# Altium PCB board_ordered.PcbDoc (part 1 of 3) (continued)
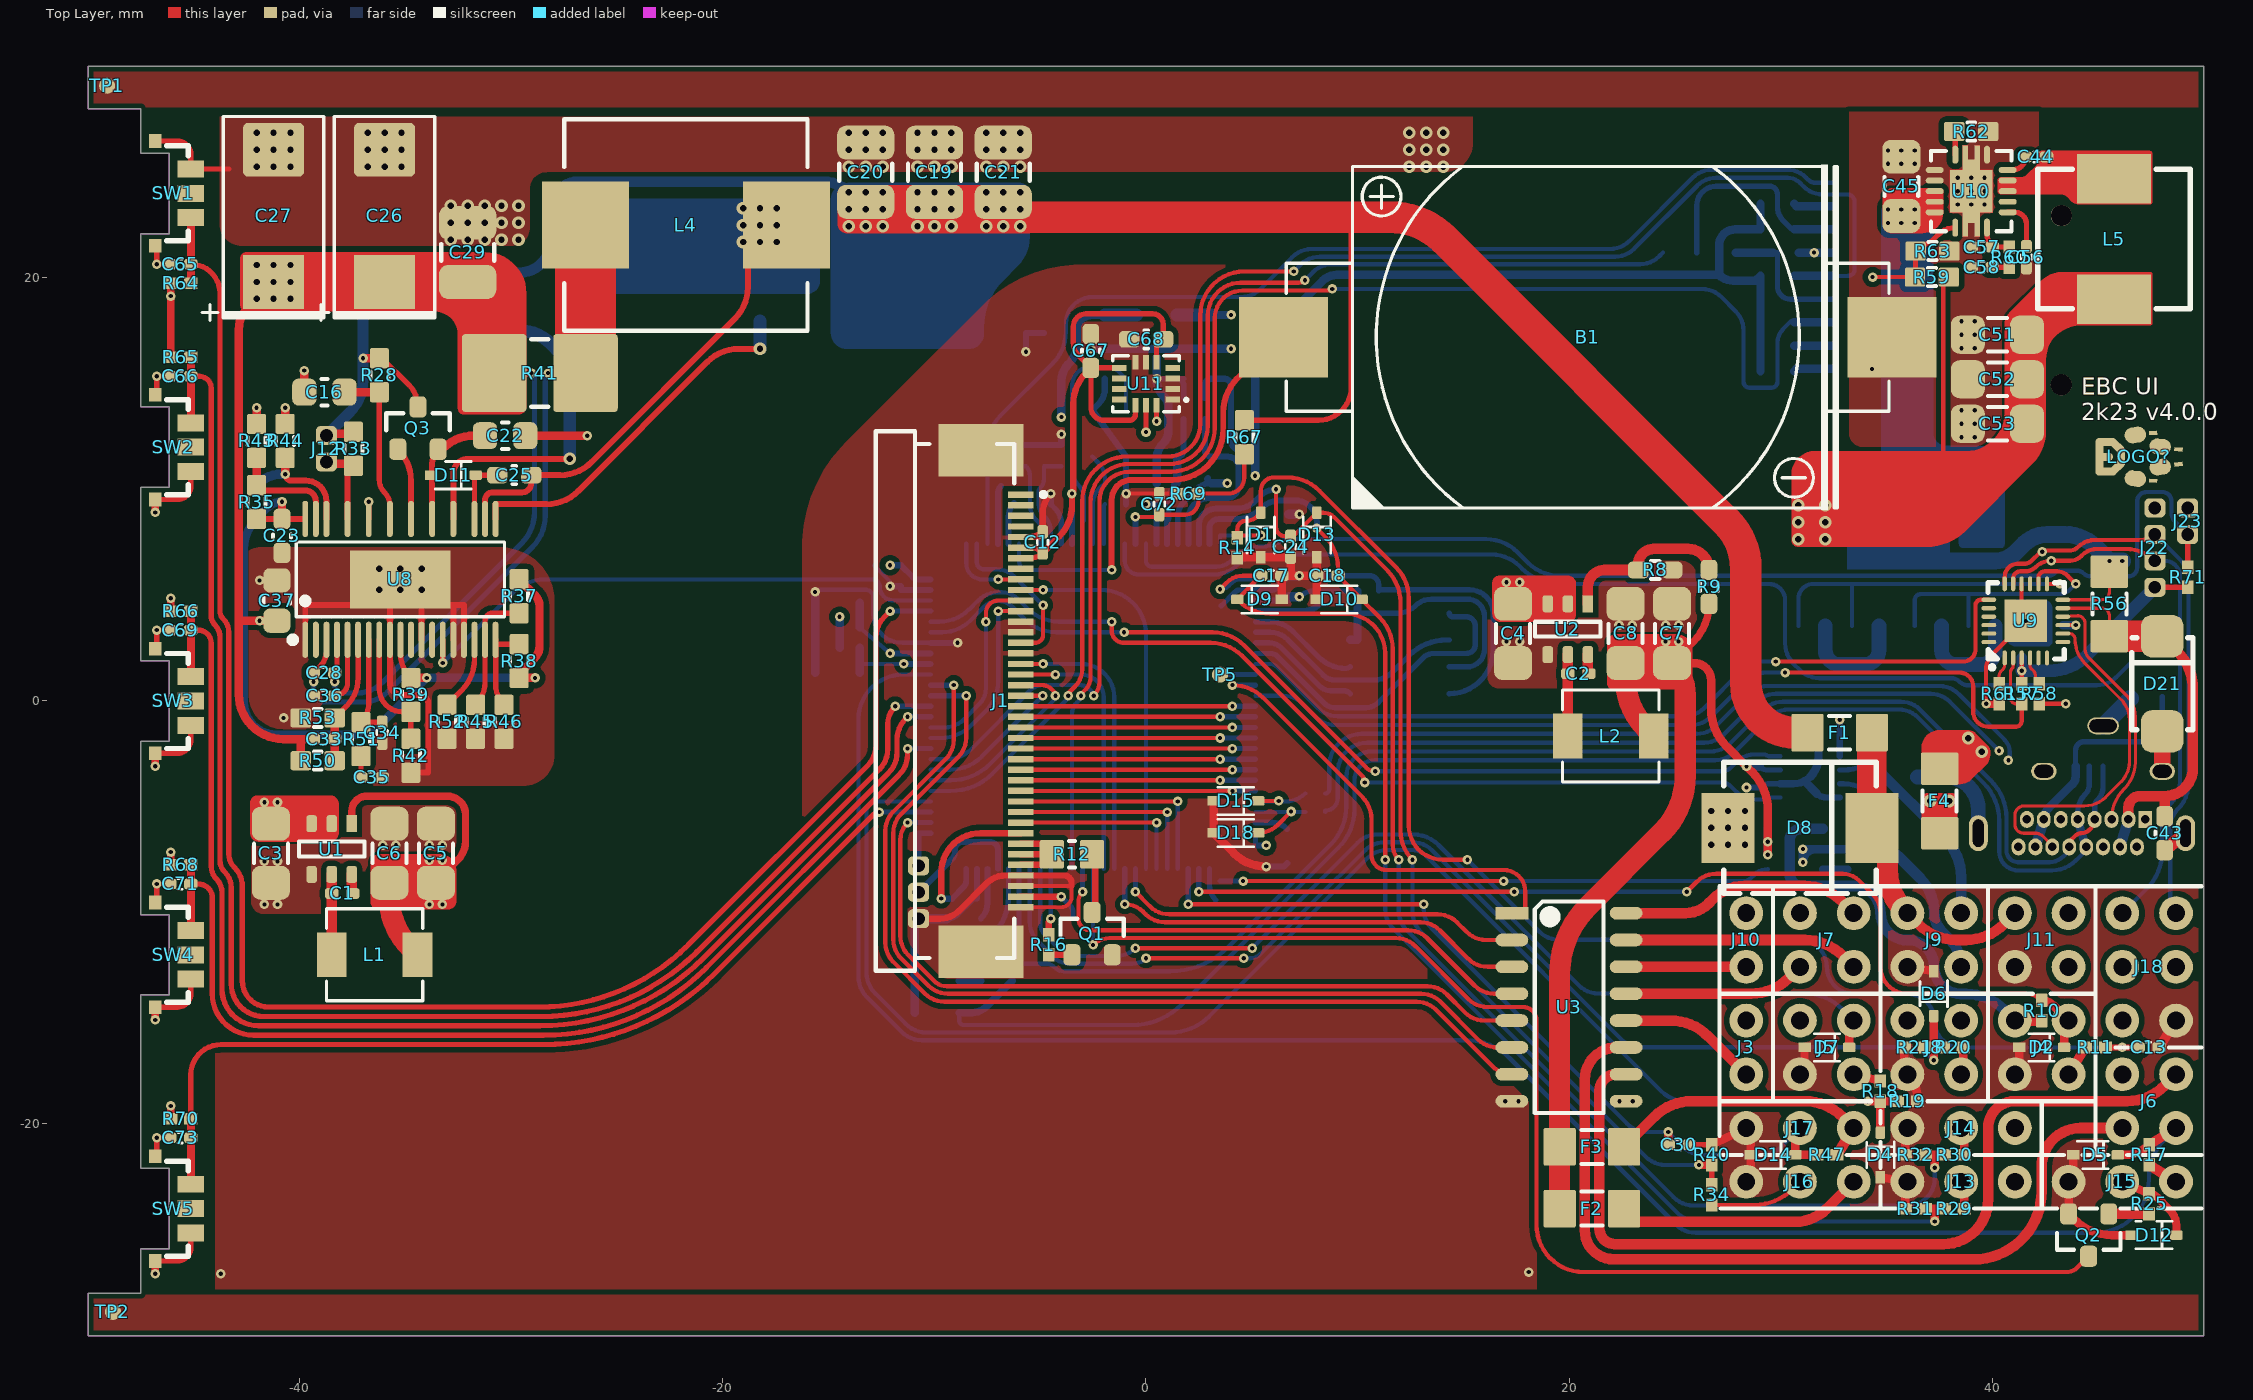
[diagram p0: Top Layer view]
## Footprints (in the part's own frame and the unit in brackets; to place one, negate y for a bottom-side part, rotate by r counter-clockwise, add the part's x,y. Pads: shape width x height; smd on the part's side, far side on the other; paste and mask are expansions set on the pad) (continued)
  rrect10% 3.05x3.68 smd mask+0.05: 1(-2.16,0) 2(2.16,0)
  silkscreen extent -0.4,-1.6 0.4,1.6, body extent -3.19,-1.55 3.16,1.55, height 0.55
SMA [mm] "SMA(DO-214AC)"
  rrect50% 2x2 smd: 1(-2.25,0) 2(2.25,0)
  silkscreen extent -2.17,-1.45 2.17,1.45, body extent -2.78,-1.48 2.83,1.48, height 2.9
SMC [mm]
  rect 2.5x3.3 smd: 1(3.4,0) 2(-3.4,0)
  silkscreen extent -3.6,-3.1 3.6,3.1, body extent -4.08,-3.15 4.08,3.1, height 2.65
SO-8 [mm] "SOIC, 8-Leads, Body 4.9x3.9mm, Pitch 1.27mm, IPC Low Density"
  rect 0.7x2.3 smd mask+0.05: 1(-1.905,-2.45)
  rrect50% 0.7x2.3 smd mask+0.05: 2(-0.635,-2.45) 3(0.635,-2.45) 4(1.905,-2.45) 5(1.905,2.45) 6(0.635,2.45) 7(-0.635,2.45) 8(-1.905,2.45)
  silkscreen extent -2.5,-2 2.5,2, body extent -2.5,-3.1 2.5,3.1, height 1.75
SOD-323 [mm]
  rect 0.59x0.45 smd mask+0.05: 1(1.055,0)
  rrect30% 0.59x0.45 smd mask+0.05: 2(-1.055,0)
  silkscreen extent -0.85,-0.65 0.85,0.65, body extent -1.25,-0.63 1.25,0.62, height 0.99
SOIC-8 [mm]
  rect 0.72x1.78 smd mask+0.025: 1(-1.905,-2.34)
  rrect50% 0.72x1.78 smd mask+0.025: 2(-0.635,-2.34) 3(0.635,-2.34) 4(1.905,-2.34) 5(1.905,2.34) 6(0.635,2.34) 7(-0.635,2.34) 8(-1.905,2.34)
  silkscreen extent -2.49,-1.17 2.49,1.17, body extent -2.45,-2.9 2.45,3.1, height 1.7
SOIC-16 [mm]
  rect 0.6x1.55 smd mask+0.07: 1(-4.445,-2.7)
  oval 0.6x1.55 smd mask+0.07: 2(-3.175,-2.7) 3(-1.905,-2.7) 4(-0.635,-2.7) 5(0.635,-2.7) 6(1.905,-2.7) 7(3.175,-2.7) 8(4.445,-2.7) 9(4.445,2.7) 10(3.175,2.7) 11(1.905,2.7) 12(0.635,2.7) 13(-0.635,2.7) 14(-1.905,2.7) 15(-3.175,2.7) 16(-4.445,2.7)
  silkscreen extent -5,-1.63 5,1.62, body extent -4.95,-3 4.95,3, height 1.4
SOT-23 [mm]
  rrect50% 1x0.8 smd mask+0.05: 1(1,-0.95) 2(1,0.95) 3(-1,0)
  silkscreen extent -0.7,-1.5 0.1,1.5, body extent -1.27,-1.5 1.33,1.5, height 1.1
SOT-23-5 [mm]
  rect 1.1x0.5 smd mask+0.05: 1(1.3,-0.95)
  rrect50% 1.1x0.5 smd mask+0.05: 2(1.3,0) 3(1.3,0.95) 4(-1.3,0.95) 5(-1.3,-0.95)
  silkscreen extent -0.35,-1.95 1.33,1.55, body extent -1.6,-1.55 1.6,1.55, height 1.45
SOT-23-6 [mm]
  rect 0.8x0.5 smd mask+0.05: 1(1.2,-0.95)
  rrect50% 0.8x0.5 smd mask+0.05: 2(1.2,0) 3(1.2,0.95) 4(-1.2,0.95) 5(-1.2,0) 6(-1.2,-0.95)
  silkscreen extent -0.35,-1.55 0.35,1.55, body extent -1.3,-1.45 1.3,1.45, height 1.14
TF-SMD_TF-01A [mm]
  rect 0.6x1.3 smd: 1(2.301,5.276) 2(1.201,5.276) 3(0.101,5.276) 4(-0.999,5.276) 5(-2.099,5.276) 6(-3.199,5.276) 7(-4.299,5.276) 8(-5.399,5.276) 9(-6.499,5.276)
  rect 1.2x1.4 smd: 10(-7.599,4.426) 13(7.081,4.426)
  rect 1.2x2 smd: 11(-7.76,-5.276) 12(7.76,-5.276)
  round 1 hole 1 unplated: ""(-4.95,-5.478) ""(3.05,-5.476)
  silkscreen extent -7.37,-9.56 7.37,4.97, body extent -7.5,-9.5 7.5,5, height 2
"TO-252AA (DPAK)" [mm] "D-PAK"
  rect 1.5x2.5 smd: 1(2.286,3.45)
  rrect10% 7x7 smd: 2(0,-3.45)
  rrect10% 1.5x2.5 smd: 3(-2.286,3.45)
  silkscreen extent -3.5,0.3 3.5,2.8, body extent -3.29,-5.9 3.29,3.8, height 2.3
TP30_SMD [mil] "TP30_SMD"
  round 30 smd mask+1.97: 1(0,0)
TQFN-24_L3.5-W3.5-P0.40-TL-EP2.0 [mm]
  oval 0.7x0.2 smd paste+0 mask+0.051: 1(-1.75,1) 2(-1.75,0.6) 3(-1.75,0.2) 4(-1.75,-0.2) 5(-1.75,-0.6) 6(-1.75,-1) 13(1.75,-1) 14(1.75,-0.6) 15(1.75,-0.2) 16(1.75,0.2) 17(1.75,0.6) 18(1.75,1)
  oval 0.2x0.7 smd paste+0 mask+0.051: 7(-1,-1.75) 8(-0.6,-1.75) 9(-0.2,-1.75) 10(0.2,-1.75) 11(0.6,-1.75) 12(1,-1.75) 19(1,1.75) 20(0.6,1.75) 21(0.2,1.75) 22(-0.2,1.75) 23(-0.6,1.75) 24(-1,1.75)
  rect 2x2 smd paste+0 mask+0.051: 25(0,0)
  silkscreen extent -2.3,-1.81 1.8,1.79, body extent -1.75,-1.75 1.75,1.75, height 0.75
TSSOP-38_L9.7-W4.4-P0.50-LS6.4-BL-EP-PE [mm]
  oval 0.28x1.715 smd paste+0 mask+0.051: 1(-4.5,-2.857) 2(-4,-2.857) 3(-3.5,-2.857) 4(-3,-2.857) 5(-2.5,-2.857) 6(-2,-2.857) 7(-1.5,-2.857) 8(-1,-2.857) 9(-0.5,-2.857) 10(0,-2.857) 11(0.5,-2.857) 12(1,-2.857) 13(1.5,-2.857) 14(2,-2.857) 15(2.5,-2.857) 16(3,-2.857) 17(3.5,-2.857) 18(4,-2.857) 19(4.5,-2.857) 20(4.5,2.857) 21(4,2.857) 22(3.5,2.857) 24(2.5,2.857) 26(1.5,2.857) 28(0.5,2.857) 30(-0.5,2.857) 32(-1.5,2.857) 34(-2.5,2.857) 36(-3.5,2.857) 37(-4,2.857) 38(-4.5,2.857)
  rect 4.75x2.74 smd paste+0 mask+0.051: 39(0,0)
  silkscreen extent -5.24,-3.01 4.93,1.77, body extent -4.85,-2.2 4.85,2.2, height 0.8
USB-TH_TYPE-C-16PFS-LCH7.45-IPX8 [mm]
  oval 0.9x1.7 hole 0.5 slot 1.3 at 90 deg paste-2539.97 mask+0.051: 13(-4.9,0) 14(4.9,0)
  rect 0.65x0.8 hole 0.4 paste-2539.97 mask+0.05: A1(-3,0.65)
  oval 0.65x0.8 hole 0.4 paste-2539.97 mask+0.05: A4(-2.2,0.65) A5(-1.4,0.65) A6(-0.6,0.65) A7(0.2,0.65) A8(1,0.65) A9(1.8,0.65) A12(2.6,0.65) B1(3,-0.65) B4(2.2,-0.65) B5(1.4,-0.65) B6(0.6,-0.65) B7(-0.2,-0.65) B8(-1,-0.65) B9(-1.8,-0.65) B12(-2.6,-0.65)
  silkscreen extent -5.08,-2.16 5.08,2.16, body extent -5.02,-2.13 5.02,2.13, height 7.75
VQFN-14_L3.5-W3.5-P0.50-BL-EP_TPS54622RHLT [mm]
  oval 0.85x0.28 smd paste+0 mask+0.051: 1(-1.725,-0.75) 7(1.725,-0.753) 8(1.725,0.75) 14(-1.725,0.75)
  oval 0.28x0.85 smd paste+0 mask+0.051: 2(-1,-1.725) 3(-0.5,-1.725) 4(0,-1.725) 5(0.5,-1.725) 6(1,-1.725) 9(1,1.725) 10(0.5,1.725) 11(0,1.725) 12(-0.5,1.725) 13(-1,1.725)
  rect 4.3x0.25 smd paste+0.001 mask+0.051: 15(0,-0.28) 15(0,0.28)
  rect 3x0.8 smd paste+0.002 mask+0.051: 15(0,0)
  rect 2x2 smd paste+0 mask+0.051: 15(0,0)
  Top Layer region: -1.016,-1.016 -1.016,-0.4 -2.16,-0.4 -2.16,-0.16 -1.44,-0.16 -1.44,0.16 -2.16,0.16 -2.16,0.4 -1.016,0.4 -1.016,1.016 1.016,1.016 1.016,0.4 2.16,0.4 2.16,0.16 1.44,0.16 1.44,-0.16 2.16,-0.16 2.16,-0.4 1.016,-0.4 1.016,-1.016
  silkscreen extent -1.9,-1.9 1.9,1.9, body extent -1.75,-1.75 1.75,1.75, height 0.85

## Part data
B1: LCSC part number=C70377, P/N=CR2032-BS-6-1
C1 C2 C11 C19 C20 C21 C40 C43 C65 C66 C67 C68 C69 C71 C72 C73 C74: library part CAP
C3 C4 C5 C6 C7 C8 C13 C16 C17 C18 C22 C23 C24 C25 C28 C30 C33 C34 C35 C36 C37 C44 C45 C51 C52 C53 C54 C55 C56 C57 C58: library part CAP, LCSC part number=C89632, P/N=CL31B106KBHNNNE
C9 C10 C12: library part CAP, LCSC part number=C30926, P/N=0603B104K500NT
C14 C15 C39 C50 C59 C60 C61 C62 C63 C64 C70: library part CAP, LCSC part number=C131394, P/N=CC0402KRX7R9BB104
C26 C27: library part 220uF
C29: library part CAP, "22u 35V 1210", LCSC part number=C778721, P/N=GMK325BJ226MM-P
C31 C32 C46 C47: library part CAP, LCSC part number=C33149, P/N=GRM1555C1H180JA01D
C38 C41 C42 C48 C49: library part CAP, LCSC part number=C90540, P/N=0603B105K500NT
D1 D9 D10 D12 D13 D14 D15 D16 D17 D18 D19 D20: library part NCP51460SN33T1G, "SD03", LCSC part number=C693617, P/N=SMCJ24A
D2 D4 D5 D6 D7: library part NCP51460SN33T1G, "SD05", LCSC part number=C693617, P/N=SMCJ24A
D3: library part CDSOT23-SM712, LCSC part number=C5261081, P/N=PESD2CAN
D8: library part SMCJ54A, LCSC part number=C720068, P/N=SMCJ54A
D11 D21: library part NCP51460SN33T1G, LCSC part number=C693617, P/N=SMCJ24A
F1 F2 F3 F4: library part "Fuse 1", LCSC part number=C2924950, P/N=TLC-LSMD075/60
J1: "Conn FPC Connector SKT 40 POS 0.5mm Solder RA SMD Easy-OnГўВ„Вў T/R"
J3 J4 J5 J6 J7 J8 J9 J10 J11 J12 J18 J23: library part "Header 2"
J13 J14 J15 J16 J17 J21 J22: library part "Header 3"
J19: LCSC part number=C586226, P/N=1051330011
J20: library part "TYPE-C 16PFS LCH7.45 IPX8", LCSC part number=C3020054, P/N="16PFS LCH7.45 IPX8"
L1 L2: LCSC part number=C167208, P/N=FXL0420-4R7-M
L3: library part BLM18AG601SN1D
L4: library part SRN3015-100M, "FXL1050-330-M"
L5: library part SRN3015-100M, "CYA0630-4.7UH", LCSC part number=C5189958, P/N=CYA0630-10UH
L6 L7: library part BLM18AG601SN1D, LCSC part number=C92615, P/N=CBG100505U600T
Q1 Q2 Q3: library part IRLML2402
Q4 Q5: library part 2N7002
R1 R2 R3 R4 R5 R6 R54 R55 R57 R58 R61 R64 R65 R66 R67 R68 R69 R70 R71: library part RES_0402_1K5-1%
R7 R8 R9 R10 R11 R12 R14 R15 R16 R17 R18 R19 R20 R21 R22 R23 R24 R25 R26 R27 R28 R29 R30 R31 R32 R33 R34 R35 R36 R37 R38 R39 R40 R41 R42 R43 R44 R45 R46 R47 R48 R49 R50 R51 R52 R53 R56 R59 R60 R62 R63: library part RES
R13: library part R0201, LCSC part number=C25784, P/N=0402WGF3001TCE
SW1 SW2 SW3 SW4 SW5: LCSC part number=C79150, P/N=EVPAEDB2A
TP1 TP2 TP3 TP4 TP5 TP6 TP7 TP8 TP9: library part TP_Dup1
U1 U2: LCSC part number=C780769, P/N=AP63203WU-7
U3: library part ULN2003A, LCSC part number=C181730, P/N=ULN2003A
U4: library part NCP51460SN33T1G, "REF3033AIDBZR", LCSC part number=C36658, P/N=REF3033AIDBZR
U5: LCSC part number=C403840, P/N=DIO7002AST5
U6: library part LTC2875, "IC INTERFACE CAN", LCSC part number=C5308062, P/N=SIT1042QTK/3
U7: library part Component_1_1
U8: LCSC part number=C580817, P/N=LTC3895HFE#PBF
U9: LCSC part number=C3034209, P/N=RT1711PGQW
U10: LCSC part number=C29438, P/N=TPS54620RGYR
U11: LCSC part number=C967633, P/N=LSM6DS3TR-C
U12: LCSC part number=C44173, P/N=FM25V10-GTR
X2: library part "CRYSTAL 12MHZ 3.20mm x 2.50mm", LCSC part number=C70565, P/N=X322512MOB4SI
X1: LCSC part number=*, P/N=Q13MC1461000400_C397823

## Via types
v1: diameter 0.45, hole 0.2, Top Layer to Bottom Layer, tented both sides, 224 vias
v2: diameter 0.6, hole 0.3, Top Layer to Bottom Layer, tented both sides, 135 vias
v3: diameter 0.61, hole 0.305, Top Layer to Bottom Layer, tented bottom, 6 vias

## Nets (pads, with @x,y where several pads share a name; then routed paths per layer and width w, separated by ;. In a path a pad name is that pad's centre, name@x,y a point inside that pad or via, vN(x,y) a via of type N, cw(c..) or ccw(c..) an arc to the next point about the centre after c; other vN are vias at no path point)
3V3: C5.2 C6.2 C12.2 C15.2 C48.2 C55.1 C59.2 C60.2 C61.2 C62.2 C63.2 C64.2 C67.1 C68.1 C70.2 J1.6 J1.7 J1.33 J1.39 J22.1 L1.2 L3.1 L6.1 R1.2 R2.2 R3.2 R4.2 R5.2 R6.2 R22.2 R23.2 R24.2 R57.1 R64.1 R65.1 R66.1 R68.1 R70.1 R71.1 U1.1 U6.5 U7.11 U7.19 U7.28 U7.50 U7.75 U7.100 U9.3 U11.5 U11.8 U11.12 U12.3 U12.7 U12.8 | length 148.3
  Top Layer w0.2: R57.1@41.4,0.821 v1(41.4,1.429) U9.3@41.4,2.037
  Top Layer w0.25: J1.7@-5.925,6.75 -5.489,6.75 ccw(c-5.489,7.604) C12.2@-4.886,7 ccw(c-5.489,6.396) -5.489,7.25 J1.6@-5.925,7.25 ; U11.8@-1.262,15.75 C67.1@-2.605,15.75 ; U11.12@-0.5,13.987 -0.5,13.563 cw(c-0.792,13.563) -0.792,13.271 -1.983,13.271 cw(c-1.983,13.893) -2.605,13.893 C67.1@-2.605,15.75 ; U11.5@0.5,16.012 0.5,16.791 cw(c0.81,16.791) C68.1@0.81,17.101 0.81,17.806 ccw(c0.31,17.806) 0.31,18.306 -2.833,18.306 ccw(c-2.833,17.701) -3.438,17.701 -3.438,16.938 ccw(c-2.58,16.938) -3.187,16.332 C67.1@-2.605,15.75 ; J22.1@47.7,5.375 R71.1@49.25,5.375
  Top Layer w0.3: v1(-9.681,-9.343) -9.681,-8.105 cw(c-7.825,-8.105) -7.825,-6.25 J1.33@-5.925,-6.25 ; J1.39@-5.925,-9.25 v1(-4.01,-9.25) ; C12.2@-4.886,7 -4.117,7.768 ccw(c-5.608,9.259) -3.5,9.259 v1(-3.5,9.806) ccw(c-3.651,9.957) -3.438,9.957 -3.438,14.043 cw(c-1.329,14.043) -2.82,15.534 C67.1@-2.605,15.75
  Top Layer w0.35: R70.1@-46.115,-19.75 v1(-46.115,-19.143) ; R68.1@-46.115,-7.75 v1(-46.115,-7.143) ; R66.1@-46.115,4.25 v1(-46.115,4.857) ; R65.1@-46.115,16.25 v1(-46.115,19.143) R64.1@-46.115,19.75 ; U1.1@-37.55,-5.8 -37.55,-5.211 cw(c-36.839,-5.211) -36.839,-4.5 -33.034,-4.5 cw(c-33.034,-5.361) -32.172,-5.361 -32.172,-6.636 ; C5.2@-33.572,-8.55 -32.535,-7.513 ccw(c-33.412,-6.636) -32.172,-6.636
  Top Layer w1: C6.2@-35.772,-8.55 C6.2@-35.772,-8.6 -35.772,-9.284 ccw(c-32.422,-9.284) -34.791,-11.653 L1.2@-34.444,-12
  Top Layer w1.6: C6.2@-35.772,-8.6 C5.2@-33.572,-8.6
  Bottom Layer w0.25: v1(-4.01,-9.25) -3.593,-9.667 cw(c-3.932,-10.007) -3.452,-10.007 R22.2@-3.452,-10.286 ; C62.2@5.18,-6.829 U7.50@5.18,-6.25 ; v1(7.254,4.923) cw(c7.923,4.253) 7.923,5.2 C70.2@10,5.2 ; U12.8@9.66,4.155 10,4.155 11.903,4.155 ccw(c11.903,5.319) 12.725,4.496 cw(c13.498,3.723) 13.498,4.816 15.195,4.816 cw(c15.195,4.008) 16.002,4.008 16.002,2.438 cw(c15.179,2.438) 15.179,1.615 U12.3@14.34,1.615
  Bottom Layer w0.28: C63.2@-11.593,6.423 -11.032,5.862 ccw(c-10.762,6.132) -10.762,5.75 U7.100@-10.18,5.75 ; C64.2@-9.173,-9.343 -8.612,-8.782 ccw(c-8.882,-8.512) -8.5,-8.512 U7.75@-8.5,-7.93 ; U7.28@5.18,4.75 6.746,4.75 C61.2@6.746,4.923
  Bottom Layer w0.3: v1(-12.101,6.423) C63.2@-11.593,6.423 ; v1(-9.681,-9.343) C64.2@-9.173,-9.343 ; U7.11@-3.5,7.43 C60.2@-3.5,9.298 v1(-3.5,9.806) ; v1(-0.008,9.298) C59.2@0.5,9.298 U7.19@0.5,7.43 ; L6.1@2.78,14.326 2.78,14.928 cw(c3.08,14.928) C48.2@3.08,15.228 3.72,15.228 cw(c3.72,14.928) 4.02,14.928 4.02,12.324 ccw(c4.492,12.324) 4.492,11.852 5.156,11.852 ; C62.2@5.18,-6.829 v1(5.688,-6.829) ; U6.5@32.796,-2.615 C15.2@32.796,-1.498 v1(32.796,-0.89)
  Bottom Layer w0.4: R23.2@-14.488,2.512 R24.2@-14.488,3.475 v1(-14.488,3.983) ; v1(5.156,10.654) 5.156,11.852 5.156,15.8 cw(c7.264,15.8) 5.773,17.29 cw(c7.264,15.8) 5.774,17.291 8.347,19.865 cw(c9.018,19.194) 9.018,20.142 27.1,20.142 27.1,21.545 cw(c27.855,21.545) 27.855,22.299 R6.2@29.054,22.299 R5.2@29.054,23.499 ; U12.7@9.66,2.885 10,2.885 10,4.155 C70.2@10,5.2 ; 27.101,20.142 ccw(c27.76,20.803) 27.76,19.869 28.823,19.869 R1.2@29.054,20.099 R2.2@29.054,17.999 R3.2@29.054,16.799 R4.2@29.054,15.599
  Bottom Layer w0.45: C61.2@6.746,4.923 v1(7.254,4.923)
  Bottom Layer w0.5: v1(41.4,1.429) C55.1@41.4,2.037
  Bottom Layer w0.6: v1(41.4,1.429) 42.702,1.429 ccw(c42.702,3.969) 44.498,2.173 J22.1@47.7,5.375
  other v1: -33.882,-9.616 -33.262,-9.616 -33.882,-7.534 -33.262,-7.534
3V3_REF: C10.2 C38.2 U4.2 U7.21 | length 15.3
  Mid Layer 2 w0.4: v1(3.842,10.298) cw(c4.819,11.275) 3.438,11.275 3.438,16.844 cw(c5.426,16.844) v1(4.02,18.25)
  Bottom Layer w0.28: U7.21@1.5,7.43 1.5,8.705 cw(c2.491,8.705) 1.789,9.404 2.402,10.017 cw(c3.08,9.34) C38.2@3.08,10.298 ; C38.2@2.882,10.497 C38.2@2.936,10.552
  Bottom Layer w0.4: C38.2@3.08,10.298 v1(3.842,10.298) ; C10.2@3.08,18.25 v1(4.02,18.25)
  Bottom Layer w0.6: U4.2@1.45,18.25 C10.2@3.08,18.25
5V: C7.2 C8.2 C9.2 C14.2 C54.1 F2.1 F3.1 L2.2 R9.1 U4.1 U5.5 U6.3 U9.9 | length 113.3
  Top Layer w0.2: U9.9@43.35,3.588 v1(43.958,3.588)
  Top Layer w0.35: C7.2@24.873,1.794 25.875,2.796 ccw(c24.079,4.592) 26.619,4.592 R9.1@26.619,4.594
  Top Layer w0.4: C7.2@24.873,1.794 25.909,1.794 cw(c25.909,0.984) 26.72,0.984 26.72,-0.366 ccw(c29.26,-0.366) 27.464,-2.162 v1(28.392,-3.09) 28.656,-3.355 cw(c26.86,-5.151) 29.4,-5.151 v1(29.4,-6.65) v1(29.4,-7.27)
  Top Layer w1: F2.1@19.558,-24 F3.1@19.558,-21.082 19.558,-12.924 cw(c24.084,-12.924) 20.884,-9.723 24.382,-6.225 ccw(c21.689,-3.532) 25.497,-3.532 25.497,0.287 ccw(c23.366,0.287) C7.2@25.187,1.395 ; C8.2@22.673,1.794 22.673,1.059 ccw(c26.023,1.059) 23.654,-1.309 L2.2@24.001,-1.656 ; C7.2@24.787,1.794 C7.2@25.187,1.395 ; C7.2@24.873,1.794 cw(c23.366,0.287) C7.2@25.187,1.395
  Top Layer w1.6: C8.2@22.673,1.794 C7.2@24.787,1.794
  Mid Layer 1 w0.4: v1(-4,13.424) -3.296,12.72 ccw(c-1.867,14.149) -1.867,12.128 4.187,12.128 cw(c4.187,10.14) 5.593,11.546 13.105,4.034 ccw(c14.206,5.134) 14.206,3.578 20.875,3.578 cw(c20.875,2.458) 21.666,3.25 ccw(c22.729,4.313) 22.729,2.81 v1(24.563,2.81) v1(25.183,2.81) 42.128,2.81 ccw(c42.128,5.35) 43.924,3.554 v1(43.958,3.588)
  Bottom Layer w0.25: C14.2@29,-3.09 ccw(c29.422,-2.668) 29.422,-3.265 U6.3@29.996,-3.265
  Bottom Layer w0.4: v1(-4,13.424) -4,15.127 cw(c-2.864,15.127) -3.667,15.93 -3.635,15.962 ccw(c-4.504,16.83) -3.275,16.83 -3.275,17.531 cw(c-2.556,17.531) -2.556,18.25 C9.2@-1.944,18.25 ; v1(29.4,-7.27) v1(29.4,-6.65) U5.5@29.4,-6.05 ; C54.1@43.35,3.588 v1(43.958,3.588)
  Bottom Layer w0.45: v1(28.392,-3.09) C14.2@29,-3.09
  Bottom Layer w0.6: C9.2@-1.944,18.25 U4.1@-0.45,18.25
5V_F: F2.2 J5.1 J8.1 J13.1 J14.1 J15.1 J16.1 J18.5 R17.2 | length 50
  Top Layer w0.5: F2.2@22.606,-24 23.233,-24.627 30.675,-24.627 ccw(c30.675,-22.486) 32.19,-24 J16.1@33.46,-22.73 ; R17.2@47.43,-21.936 J15.1@48.7,-22.73
  Mid Layer 1 w0.5: J5.1@30.92,-15.11 31.446,-15.636 ccw(c33.242,-13.84) 33.242,-16.38 34.73,-16.38 ; J16.1@33.46,-22.73 34.73,-21.46 ; J8.1@36,-15.11 34.73,-16.38 ; J18.5@46.16,-15.11 46.686,-15.636 cw(c44.89,-17.432) 47.43,-17.432 47.43,-21.46 41.08,-21.46 34.73,-21.46 ; 47.43,-21.461 J15.1@48.7,-22.73 ; 34.73,-21.46 34.73,-16.38
  Mid Layer 1 w1.4: J13.1@41.08,-22.73 41.08,-21.46 J14.1@41.08,-20.19
5V_FL: F3.2 J17.1 R47.2 | length 13.6
  Top Layer w0.5: F3.2@22.606,-21.082 24.024,-19.664 cw(c25.82,-21.46) 25.82,-18.92 31.137,-18.92 cw(c31.137,-21.46) 32.934,-19.664 J17.1@33.46,-20.19 R47.2@32.666,-21.46
5V_SRV: J4.1 R10.2 U5.1 | length 19
  Top Layer w0.5: J4.1@41.08,-15.11 R10.2@42.35,-15.11
  Bottom Layer w0.5: U5.1@32,-6.05 30.965,-6.05 ccw(c30.965,-6.581) 30.435,-6.581 30.435,-8.178 ccw(c31.005,-8.178) 31.005,-8.748 33.453,-8.748 cw(c33.453,-10.018) 34.723,-10.018 ; 34.736,-10.042 ccw(c36.006,-10.042) 36.006,-11.312 ; 35.993,-11.288 cw(c35.993,-12.558) 37.263,-12.558 ; 37.276,-12.582 ccw(c38.546,-12.582) 38.546,-13.852 38.77,-13.852 cw(c38.77,-16.392) 40.566,-14.596 J4.1@41.08,-15.11
12V: C3.2 C4.2 C26.1 C27.1 C28.1 C29.2 C33.1 C37.1 C45.2 F4.1 Q6.7 Q6.8 R41.2 R50.1 U1.2 U1.3 U2.2 U2.3 U3.9 U8.4 U8.32 U10.4 U10.5 U10.6 | length 52.6
  Top Layer w0.25: C28.1@-38.36,1.331 ccw(c-38.626,1.596) -38.25,1.596 U8.4@-38.25,2.892
  Top Layer w0.28: U8.32@-36.75,8.607 v1(-36.75,9.425)
  Top Layer w0.4: v2(-41.25,19.812) v2(-42.05,19.012) -42.471,18.591 ccw(c-41.455,17.574) -42.892,17.574 -42.892,3.797 ; C37.1@-41.091,3.797 v1(-41.909,3.797) -42.892,3.797 ; R50.1@-39.96,-2.825 -39.96,-1.8 ; C33.1@-39.36,-1.8 -39.96,-1.8 ; v1(-38.36,0.913) C28.1@-38.36,1.331 ; R41.2@-30.82,15.507 v1(-29.053,15.507) ; -42.892,3.797 -42.892,0.308 ccw(c-40.784,0.308) -40.784,-1.8 -39.96,-1.8
  Bottom Layer w0.25: v1(-38.36,0.913) -38.36,0.735 ccw(c-38,0.735) -38,0.375 -37.3,0.375 ccw(c-37.3,2.065) -36.106,0.869 ; -36.105,0.87 -29.532,7.443 ccw(c-31.022,8.934) -29.531,7.444 ccw(c-31.022,8.934) -28.914,8.934 -28.914,15.173 ccw(c-29.387,15.173) v1(-29.053,15.507)
  other v1: 22.39,-18.92 23.01,-18.92 -41.682,-4.784 -41.062,-4.784 17.043,5.61 17.662,5.61 35.077,22.598 35.712,22.598 36.347,22.598 35.077,23.233 35.712,23.233 36.347,23.233
  other v2: 39.517,-2.401 38.87,-1.754 -41.25,19.012 -40.45,19.012 -42.05,19.812 -40.45,19.812 -42.05,20.612 -41.25,20.612 -40.45,20.612
12V_FL: F4.2 J3.1 J6.1 J7.1 J10.1 | length 31.9
  Mid Layer 1 w0.5: J3.1@28.38,-15.11 28.906,-14.584 ccw(c27.11,-12.788) 29.65,-12.788 29.65,-10.03 ; J10.1@28.38,-10.03 29.65,-10.03 ; J6.1@46.16,-17.65 45.634,-17.124 cw(c47.43,-15.328) 44.89,-15.328 44.89,-10.03 ccw(c42.858,-10.03) 42.858,-7.998 37.981,-7.998 34.004,-7.998 ccw(c34.004,-10.538) 32.208,-8.742 J7.1@30.92,-10.03 29.65,-10.03
  other v2: 37.067,-4.726 37.981,-4.726
ACCEL: C18.2 D10.2 R30.2 R32.2 U7.24 | length 60.7
  Top Layer w0.2: v1(8.079,8.158) 8.462,7.775 cw(c6.971,6.285) 9.079,6.285 C18.2@9.079,5.923 D10.2@10.189,4.813 ; D10.2@10.189,4.803 11.048,3.944 cw(c9.558,2.453) 11.049,3.943 cw(c9.558,2.453) 11.666,2.453 11.666,-6.811 ccw(c12.645,-6.811) v1@11.952,-7.503
  Top Layer w0.4: R32.2@36.85,-21.46 37.295,-21.46 ; v1(37.295,-22.068) 37.295,-21.46 ; R30.2@37.74,-21.46 37.295,-21.46
  Bottom Layer w0.2: v1(11.953,-7.503) 11.953,-9.931 ccw(c13.248,-9.931) 12.332,-10.847 24.956,-23.471 ccw(c25.872,-22.555) 25.872,-23.851 36.017,-23.851 ccw(c36.017,-22.573) 37.295,-22.573 v1(37.295,-22.068)
  Bottom Layer w0.28: U7.24@3,7.43 3,8.176 cw(c3.423,8.176) 3.423,8.598 4.225,8.598 ccw(c4.225,10.271) 5.408,9.088 cw(c6.364,8.132) 6.364,9.484 7.045,9.484 cw(c7.045,8.45) 8.079,8.45 v1(8.079,8.158)